# KiCad board EVT-PCB.kicad_pcb (continued)
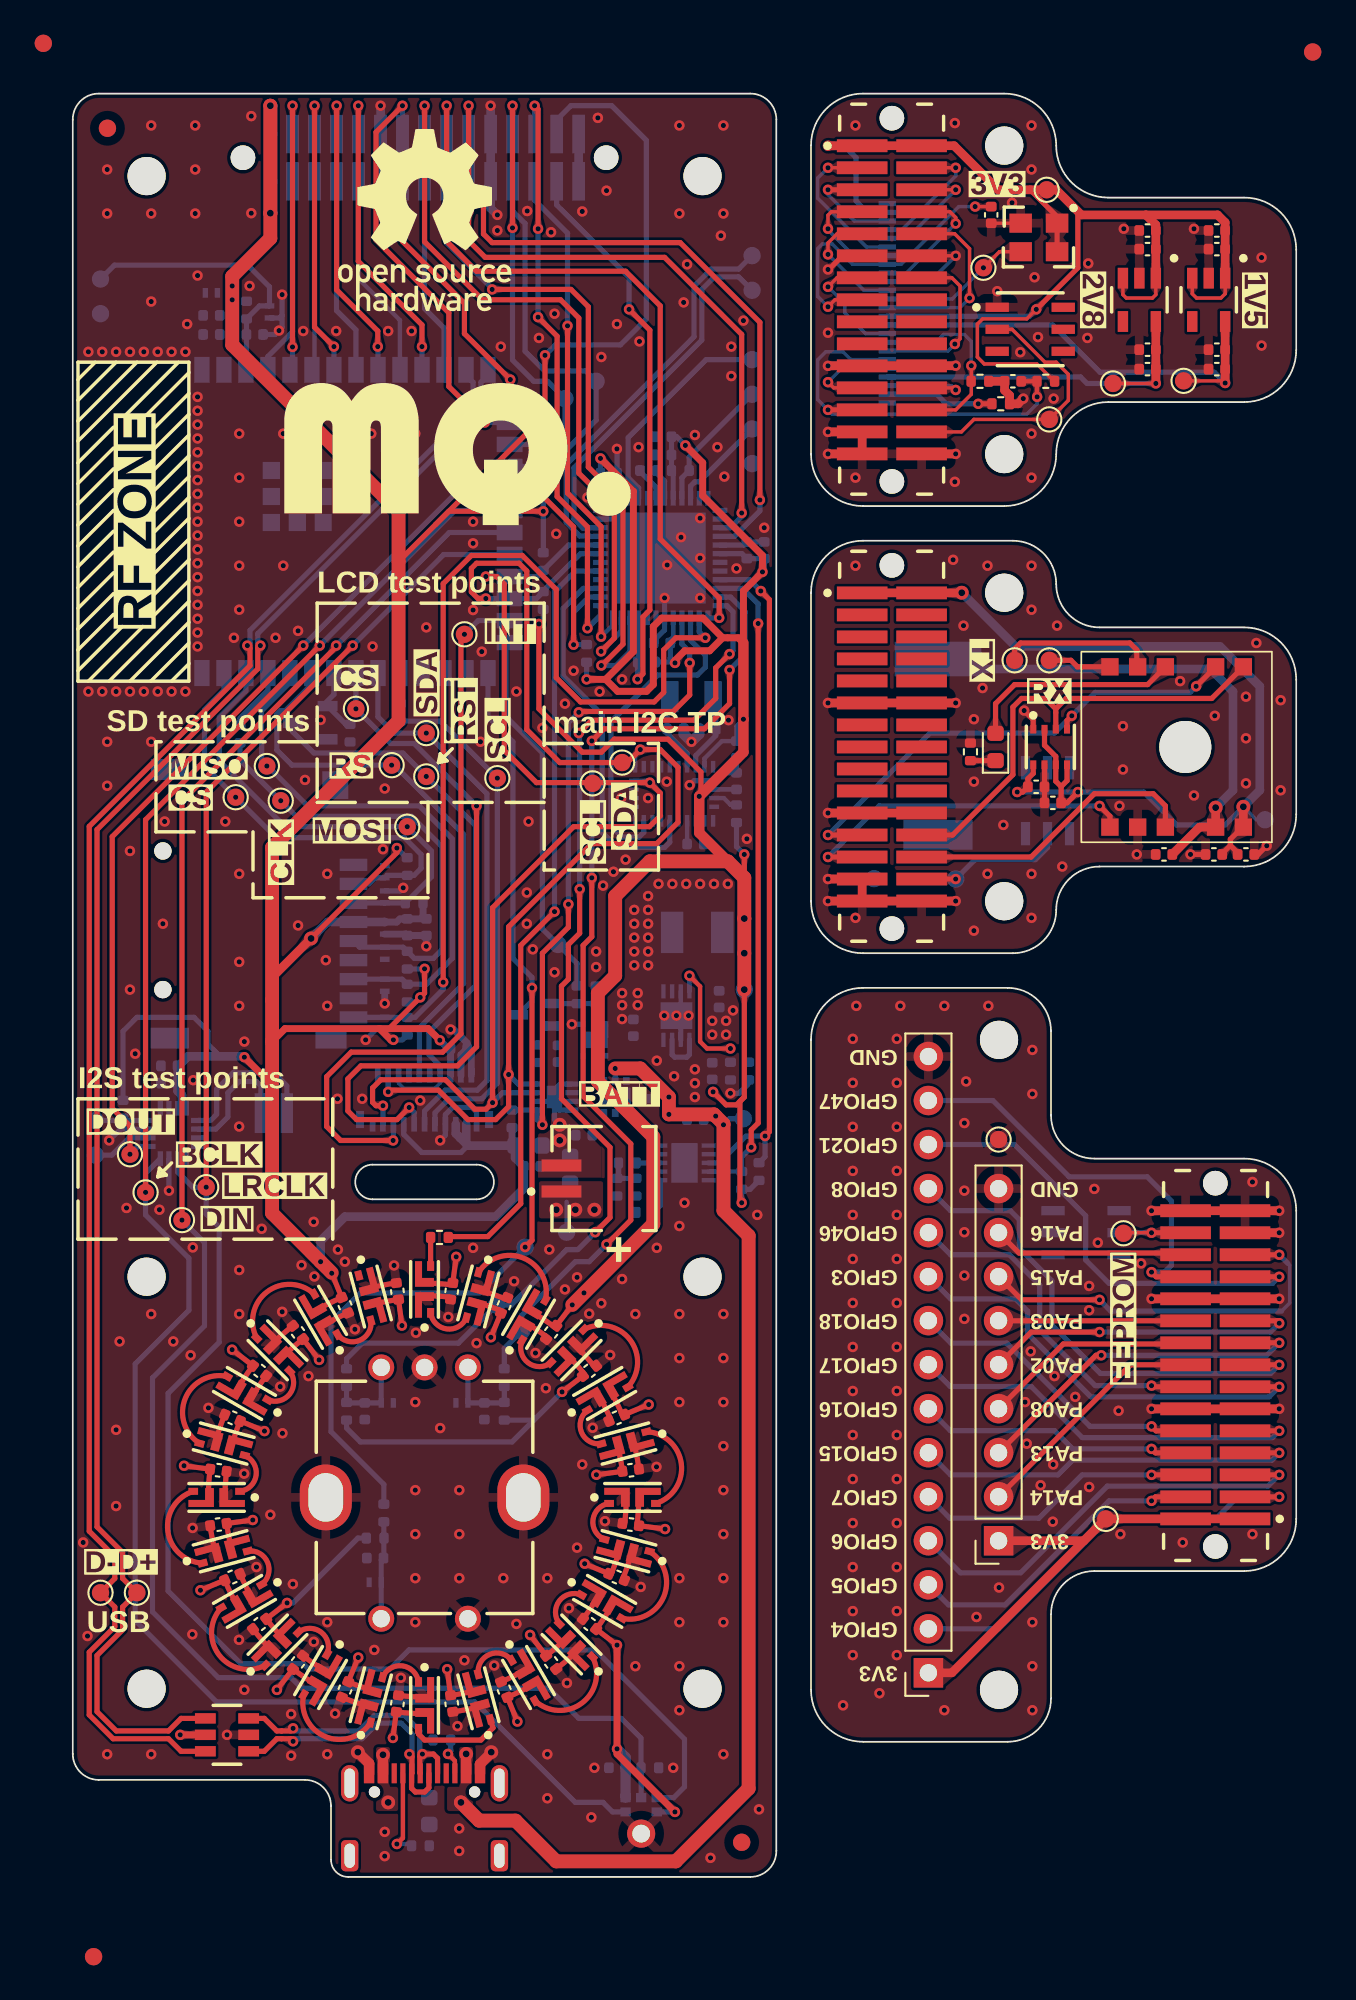
[diagram p0: board, top side]
## Routing (per net, layer and track width the routed paths; a pad name or vN(x,y) marks a point on that pad's centre or on a via; arc(x,y) is an arc through that point) (continued)
GNDA: length 6.3
  Top w0.3: R1103.2 v2(52.25,85)
  Bottom w0.3: U1102.2 49.85,85.55 50.4,85 v2(52.25,85)
VBUS: length 3.8
  Bottom w0.3: U302.7 34.58,47.45 34.73,47.3 35.43,47.3 35.58,47.45 U302.5 ; Q301.D2 30.75,48.48 Q301.D2
+BATT: length 1.8
  Bottom w0.254: TP401.1 28.5,38.95
  vias: v1(27.9,38.5) v1(29,38.5) v1(30.1,38.5)
/BATM_INT: length 38.5
  Top w0.3: v2(29.2,67.2) 29.25,67.25 34.65,67.25 35.6,68.2 v2(35.6,70.05) ; v2(28.6,56.13) 28.6,54.8 27.1,53.3 v2(27.1,43.4)
  Bottom w0.3: v2(35.6,70.05) 35.6,70.69 35.15,71.14 IC501.16 ; v2(29.2,67.2) 28.6,66.6 v2(28.6,56.13) ; v2(27.1,43.4) 26.8,43.7 U401.5 R402.2
/BATM_STAT1: length 40
  Top w0.3: v2(39.7,74.2) 40.2,73.7 40.2,43 v2(39.95,42.75)
  Bottom w0.3: IC501.9 39.05,74.85 v2(39.7,74.2) ; R403.2 39.95,41.56 v2(39.95,42.75) 38.85,42.75 37.3,41.2 36.7,41.2
/BATM_STAT2: length 37.6
  Top w0.3: v2(39.55,72.32) 39.55,43.5 39.15,43.1 v2(39.15,42.1)
  Bottom w0.25: 36.7,40.7 R404.2
  Bottom w0.3: v2(39.55,72.32) 39.55,73.45 38.65,74.35 IC501.10 ; R404.2 38.6,41.55 v2(39.15,42.1)
/Camera Module/DATA2: length 9.3
  Top w0.2: J1101.03 v2(43.58,98.62)
  Bottom w0.2: U1102.19 45.8,94.05 42.98,96.87 42.98,98.02 v2(43.58,98.62) ; 43.75,98.62 43.57,98.62
/Camera Module/DATA3: length 7.7
  Top w0.2: J1101.04 v2(50.95,98.62) ; 50.94,98.62 50.95,98.62
  Bottom w0.2: v2(50.95,98.62) 50.95,98.15 47.85,95.05 U1102.21
/Camera Module/DATA4: length 6.3
  Top w0.3: v2(43.58,97.35) J1101.05
  Bottom w0.2: v2(43.58,97.35) 43.58,97.07 45.1,95.55 U1102.22
/Camera Module/DATA5: length 7.1
  Top w0.2: J1101.06 v2(50.95,97.35)
  Bottom w0.2: U1102.20 48.15,94.55 v2(50.95,97.35)
/Camera Module/DATA6: length 7.1
  Top w0.2: 43.58,95.2 v2(43.58,95.1) 43.58,95.88 43.78,96.08 J1101.07
  Bottom w0.2: 43.57,95.2 43.57,95.05 45.06,93.55 U1102.18
/Camera Module/DATA7: length 7.6
  Top w0.2: J1101.08 50.62,96.08 50.95,95.75 v2(50.95,95.4)
  Bottom w0.2: v2(50.95,95.4) 48.1,92.55 U1102.16
/Camera Module/DATA8: length 8.4
  Top w0.2: v2(43.58,93.62) 43.58,94.28 44.11,94.81 J1101.09 44.29,94.81
  Bottom w0.2: U1102.14 45.65,91.55 v2(43.58,93.62) 43.57,93.62
/Camera Module/DATA9: length 11
  Top w0.2: J1101.10 50.89,94.81 51.75,93.95 v2(51.75,91.1)
  Bottom w0.2: U1102.12 51.2,90.55 v2(51.75,91.1)
/Camera Module/EEPROM: length 17.2
  Top w0.2: U1104.2 54.2,89.3 56.1,87.4 56.75,87.4 57.45,86.7 57.45,85.2 TP1108.1 52,84.1 51.28,83.38 J1101.28 50.33,83.38
/Camera Module/HSYNC: length 7
  Top w0.2: J1101.13 44.1,92.27 v2(43.58,91.75)
  Bottom w0.2: v2(43.58,91.75) 44.55,90.78 44.55,90.25 45.75,89.05 U1102.9
/Camera Module/PCLK: length 17.7
  Top w0.2: v2(52.07,96.38) C1101.1 ; v2(43.58,90.6) 43.98,91 J1101.15
  Bottom w0.2: v2(43.58,90.6) 42.98,91.2 42.98,93.95 43.25,94.22 43.83,94.22 45,93.05 47.8,93.05 51.13,96.38 v2(52.07,96.38)
/Camera Module/PWDN: length 11.5
  Top w0.2: v2(51.85,87.2) 51.85,85.55 50.95,84.65 J1101.26
  Bottom w0.2: v2(51.85,87.2) 51.85,88.6 51.45,89 50.25,89 49.8,88.55 U1102.8
/Camera Module/SCL: length 5.9
  Top w0.2: J1101.23 43.91,85.92 v2(43.58,86.25)
  Bottom w0.2: 43.55,86.25 v2(43.58,86.25) 44.38,87.05 U1102.5
/Camera Module/SDA: length 6.1
  Top w0.2: J1101.24 50.83,85.92 v2(50.95,85.8)
  Bottom w0.2: U1102.3 50.7,86.05 v2(50.95,85.8)
/Camera Module/VSYNC: length 10
  Top w0.2: v2(50.9,88.45) 51.2,88.75 51.2,91.8 50.73,92.27 J1101.14
  Bottom w0.2: v2(50.9,88.45) 50.5,88.05 U1102.7
/Camera Module/~{RESET}: length 24.4
  Top w0.254: R1101.2 55.65,86.3 ; R1101.2 C1106.1 ; R1101.2 55.64,85.41 v2(55.65,85.4)
  Top w0.3: v2(43.58,84.65) J1101.25
  Bottom w0.2: v2(43.58,84.65) 43.73,84.5 ; v2(43.58,84.65) 43.83,84.4 55.05,84.4 55.65,85 v2(55.65,85.4) ; v2(43.58,84.65) 42.98,85.25 42.98,87.53 43.45,88 44.45,88 44.9,87.55 U1102.6
/Dev Module/ATSAMD_IO11: length 13.9
  Top w0.3: J1303.16 61.03,29.55 J1302.2
/Dev Module/ATSAMD_IO12: length 20.8
  Top w0.3: J1303.17 v2(69.62,30.82) ; J1302.3 59.04,30.1 v2(59.35,30.1)
  Bottom w0.3: v2(69.62,30.82) 68.9,30.1 v2(59.35,30.1)
/Dev Module/ATSAMD_IO13: length 12.4
  Top w0.3: J1303.18 64.15,30.75 57.16,30.75 J1302.4
/Dev Module/ATSAMD_IO14: length 19.2
  Top w0.3: J1302.5 55.3,31.44 v2(59.25,31.44) ; v2(69.62,31.95) 69.48,32.09 J1303.19
  Bottom w0.3: v2(59.25,31.44) 69.11,31.44 v2(69.62,31.95)
/Dev Module/ATSAMD_IO15: length 10.8
  Top w0.3: J1303.20 53.43,32.09 J1302.6
/Dev Module/ATSAMD_IO16: length 22.8
  Top w0.3: J1302.7 54.77,33.3 v2(59.25,33.3) ; J1303.25 v2(69.62,35.9)
  Bottom w0.2: 70.12,35.4 70.22,35.3 70.22,33.11 69.76,32.65
  Bottom w0.3: v2(69.62,35.9) 70.12,35.4 ; 69.76,32.65 59.9,32.65 v2(59.25,33.3)
/Dev Module/ATSAMD_IO17: length 11.3
  Top w0.3: J1302.8 54.6,36 64.12,36 J1303.26
/Dev Module/EEPROM: length 5.5
  Top w0.2: v2(62.25,37.17) 60.63,37.17
  Top w0.3: J1303.28 v2(62.25,37.17)
  Bottom w0.3: v2(62.25,37.17) 62.25,37.17 U1301.2
/Dev Module/ESP32_IO0: length 25.4
  Top w0.3: J1303.03 v2(69.62,21.93)
  Bottom w0.3: v2(69.62,21.93) 67.22,21.93 65.99,20.7 59.8,20.7 53.42,14.32 J1304.2
/Dev Module/ESP32_IO1: length 17.9
  Top w0.3: v2(62.25,21.7) 62.48,21.93 J1303.04
  Bottom w0.3: v2(62.25,21.7) 59.8,21.7 53.8,15.7 50.53,15.7 J1304.3
/Dev Module/ESP32_IO2: length 25.3
  Top w0.3: J1303.05 v2(69.62,23.2)
  Bottom w0.3: J1304.4 51.22,17.55 54.7,17.55 59.7,22.55 68.97,22.55 v2(69.62,23.2)
/Dev Module/ESP32_IO3: length 16.4
  Top w0.3: 62.25,23.15 v2(62.25,23.2) J1303.06
  Bottom w0.3: v2(62.25,23.2) 58.25,23.2 55.75,20.7 50.61,20.7 J1304.5
/Dev Module/ESP32_IO4: length 23.3
  Top w0.3: v2(69.62,24.47) J1303.07
  Bottom w0.3: v2(69.62,24.47) 69.2,24.05 57.7,24.05 56.85,23.2 50.66,23.2 J1304.6
/Dev Module/ESP32_IO5: length 15.9
  Top w0.3: v2(62.25,24.7) 62.48,24.47 J1303.08
  Bottom w0.3: v2(62.25,24.7) 57.7,24.7 56.65,25.75 50.64,25.75 J1304.7
/Dev Module/ESP32_IO6: length 24.1
  Top w0.3: J1303.09 v2(69.62,25.74)
  Bottom w0.3: J1304.8 50.63,28.3 55.31,28.3 58.26,25.35 69.23,25.35 v2(69.62,25.74)
/Dev Module/ESP32_IO7: length 17.5
  Top w0.3: v2(62.25,26) 62.51,25.74 J1303.10
  Bottom w0.3: J1304.9 50.67,30.8 53.9,30.8 58.7,26 v2(62.25,26)
/Dev Module/ESP32_IO8: length 26.1
  Top w0.3: J1303.13 v2(69.62,28.28)
  Bottom w0.3: J1304.10 50.66,33.35 54.4,33.35 55.1,32.65 55.1,31.35 58.75,27.7 69.04,27.7 v2(69.62,28.28)
/Dev Module/ESP32_IO9: length 20.1
  Top w0.3: J1303.14 62.32,28.28 v2(62.25,28.35)
  Bottom w0.3: J1304.11 50.66,35.9 54.05,35.9 55.8,34.15 55.8,31.55 59,28.35 v2(62.25,28.35)
/Dev Module/ESP32_IO10: length 29.3
  Top w0.3: J1303.15 v2(69.62,29.55)
  Bottom w0.3: v2(69.62,29.55) 69.12,29.05 59.3,29.05 56.5,31.85 56.5,34.4 54.62,36.27 54.62,37.92 54.1,38.45 50.64,38.45 J1304.12
/Dev Module/SCL: length 27.2
  Top w0.3: J1303.23 v2(69.62,34.63)
  Bottom w0.3: v2(69.62,34.63) 69.24,34.25 59.8,34.25 58.45,35.6 58.45,38.15 54.34,42.26 J1304.13
/Dev Module/SDA: length 23.5
  Top w0.3: J1303.24 62.52,34.63 v2(62.25,34.9)
  Bottom w0.3: J1304.14 53.09,44.8 57.49,40.4 62,40.4 63.4,39 63.4,35.3 63,34.9 v2(62.25,34.9)
/ESP32-S3-WROOM-2/GPIO38: length 1.8
  Bottom w0.3: U201.31 18.88,67.73 R109.2
/ESP32-S3-WROOM-2/GPIO43/TXD0: length 3.7
  Bottom w0.3: U201.37 11.26,68.47 9.65,66.86 R110.2
/ESP32-S3-WROOM-2/MCU_RST: length 16.3
  Bottom w0.3: TP201.1 2.4,93 10.1,93 11.35,91.75 D202.1 10.77,90.65 R201.2 10.02,86.99 U201.3
/I2S_BCLK: length 112.1
  Top w0.3: v2(4.2,39.5) 4.2,61 v2(14.25,71.05)
  Bottom w0.3: 25.21,78.84 22.04,78.84 v2(14.25,71.05) ; M601.4 31.15,3.75 30.6,4.3 29,4.3 23.2,10.1 8.3,10.1 3.6,14.8 3.6,29.6 6.7,32.7 6.7,35.7 4.2,38.2 v2(4.2,39.5) 4.2,40.6 U1001.16
/I2S_DIN: length 108.6
  Top w0.3: v2(15.2,71.05) 15.2,70.97 6.3,62.07 v2(6.3,37.9)
  Bottom w0.3: M601.6 32.8,5.99 ; U201.21 21.72,77.57 v2(15.2,71.05) ; 32.79,6 32.79,8.01 31.65,9.15 29.2,9.15 27.46,10.89 13.21,10.89 12.6,11.5 8.4,11.5 4.6,15.3 4.6,28.8 7.6,31.8 7.6,36.6 v2(6.3,37.9) ; 32.8,6.29 R601.1
/I2S_DOUT: length 51.2
  Top w0.3: v2(13.3,71.05) 2.27,60.02 2.27,44.35 3.3,43.32 v2(3.3,41.7)
  Bottom w0.3: U1001.1 3.75,42.15 v2(3.3,41.7) ; v2(13.3,71.05) 22.36,80.11 U201.19
/I2S_LRCLK: length 112.5
  Top w0.3: v2(16.15,71.05) 7.7,62.6 v2(7.7,39.8)
  Bottom w0.3: U201.22 21.41,76.3 v2(16.15,71.05) ; M601.1 34.67,4.57 35.3,5.2 35.3,7.95 30.15,13.1 19.4,13.1 18.3,12 13.6,12 13.3,12.3 9.7,12.3 5.5,16.5 5.5,27.9 8.45,30.85 8.45,37.5 7.7,38.25 v2(7.7,39.8) 6.92,39.8 6.05,40.67 U1001.14
/IMU/IMU_XIN: length 4.8
  Bottom w0.3: U801.27 35.95,64.7 37.1,65.86 37.1,67.94 X801.1 ; 37.1,68.04 36.95,68.2
/IMU/IMU_XOUT: length 4.6
  Bottom w0.3: U801.26 35.45,64.83 34.29,65.99 C805.1 34.29,67.94 X801.2
/IMU_INT: length 18.9
  Bottom w0.3: U801.14 32.95,60.27 32.68,60 31.7,60 31.05,60.65 31.05,66.65 33.75,69.35 36.05,69.35 36.5,69.8 36.5,70.5 35.65,71.35 IC501.15
/IMU_RST: length 22.1
  Bottom w0.3: IC501.27 29.46,74.35 28.3,73.19 28.3,69.3 30.55,67.05 30.55,60.27 31.42,59.4 34.15,59.4 34.45,59.7 U801.11
/LCD_CS: length 40.4
  Top w0.3: v2(19.41,44.4) 18.71,43.7 16.38,43.7 15.88,44.2 15.88,46.05 16.62,46.8 22.2,46.8 23.3,47.9 v2(23.3,61.8)
  Bottom w0.3: 19.7,43.43 19.7,44.11 v2(19.41,44.4) ; v2(23.3,61.8) 19.7,65.4 18.34,65.4 v2(16.34,67.4) U201.33
/LCD_RESET: length 3.9
  Bottom w0.3: 14.4,67.56 15.07,68.23 U201.34 ; Q101.G 15.75,66.51 R105.1
/LCD_RS: length 33.3
  Bottom w0.3: 13.7,69.36 U201.35 13.8,68.84 12.26,67.3 12,67.3 11.77,67.07 11.77,65.02 12.65,64.15 v2(18.4,64.15) 18.56,64.15 22.55,60.16 22.55,51.55 20,49 J701.12
/LCD_SCL: length 29.5
  Bottom w0.3: 20.9,43.43 20.9,44.09 21.71,44.9 23.6,44.9 24.5,45.8 v2(24.5,63.4) 21.21,66.69 R109.1
/LCD_SDA: length 32.3
  Bottom w0.3: U201.32 17.61,66.94 18.55,66 v2(20.4,66) 23.9,62.5 23.9,45.95 23.35,45.4 21.5,45.4 20.3,44.2 20.3,43.43
/LEAT/D+: length 21.6
  Bottom w0.3: TP503.1 38.42,92.32 37.02,92.32 36.3,91.6 36.3,88.68 28.92,81.31 28.92,78.34 29.44,77.82 29.79,77.82 29.81,77.85 IC501.34
/LEAT/D-: length 23.1
  Bottom w0.3: TP502.1 38.42,92.77 36.84,92.77 35.85,91.79 35.85,88.87 28.47,81.49 28.47,78.16 29.26,77.37 29.79,77.37 29.81,77.35 IC501.33
/LEAT/LEAT_ENC_A: length 57.4
  Top w0.3: v2(29.95,65.55) 30.65,66.25 36.45,66.25 37.9,67.7 v2(37.9,69.64) ; v2(29.95,57.65) 29.95,54.25 29.45,53.75 29.45,45.05 32.2,42.3 32.2,37.9 v2(30.8,36.5)
  Bottom w0.3: v2(37.9,69.64) 38.8,70.54 38.8,73.01 37.96,73.85 IC501.11 ; v2(30.8,36.5) 29.8,35.5 29,35.5 25.9,32.4 TP506.1 24.9,30.5 R504.2 ; v2(29.95,57.65) v2(29.95,65.55)
/LEAT/LEAT_ENC_B: length 63.8
  Top w0.3: v2(29.2,66) 29.95,66.75 35.85,66.75 37.1,68 37.1,69.76 v2(37.9,70.56) ; v2(30.15,37.2) 31,38.05 31,42.1 28.2,44.9 28.2,51.4 28.6,51.8 28.6,53.8 29.25,54.45 v2(29.25,57)
  Bottom w0.3: v2(30.15,37.2) 29.15,36.2 28.5,36.2 25.3,33 TP507.1 22.25,30.8 16.7,30.8 15.8,29.9 R505.2 ; v2(29.2,66) 29.25,65.95 v2(29.25,57) ; IC501.12 37.75,73.35 38.1,73 38.1,70.76 v2(37.9,70.56)
/LEAT/NEOPIXEL: length 44.2
  Top w0.3: v2(27.8,55.7) 25.85,53.75 25.85,38.85 23.95,36.95 21.72,36.95 R502.1
  Bottom w0.3: v2(27.8,55.7) 27.8,74.15 29,75.35 IC501.29
/LEAT/SWCLK: length 7.7
  Bottom w0.3: IC501.45 35.15,80.73 R501.2 35.57,81.92 TP504.1
/LEAT/SWDIO: length 5.6
  Bottom w0.3: TP505.1 36.15,80.5 35.9,80.5 35.65,80.25 IC501.46
/LEAT/~{RESET}: length 12.8
  Bottom w0.3: TP501.1 36.55,87.55 32.05,83.05 32.05,80.75 32.65,80.15 IC501.40
/LEAT_ENC_SW: length 61
  Top w0.3: v2(26.1,36.34) 26.5,36.74 v2(26.5,51.3)
  Bottom w0.3: v2(26.1,36.34) 23.46,33.7 16.6,33.7 14.9,32 14.9,25.7 17.95,22.65 R503.2 ; D302.K 26.5,50.55 v2(26.5,51.3) 26.5,51.9 25.4,53 25.4,65.5 23.96,66.94 U201.27
/MAIN_SCL: length 67.3
  Top w0.3: v2(23.83,75.03) 24.46,75.03 24.9,74.6 24.9,65 26.76,63.14 v2(33.3,63.14) 33.9,62.54 33.9,61.22 33.27,60.6 28.9,60.6 24.22,55.92 v2(24.22,44.68) 23.85,44.3 23.2,44.3 21.5,46 17.78,46 17.3,45.52 17.3,44.7 17.5,44.5 v2(17.9,44.5)
  Bottom w0.25: 32.39,63.25 33.19,63.25 v2(33.3,63.14)
  Bottom w0.3: IC501.32 28.61,76.85 R101.2 26.79,75.03 U201.23 ; v2(23.83,75.03) U201.23 ; U201.23 25.4,74.84 ; v2(17.9,44.5) 17.9,43.43 ; v2(24.22,44.68) 24.8,45.25 U401.7
/MAIN_SDA: length 70.7
  Top w0.3: v2(23.83,73.76) 23.38,73.76 23,74.15 23,75.5 23.3,75.8 25.75,75.8 26.2,75.35 26.2,66.2 28.1,64.3 32,64.3 v2(32.75,65.05) 33.9,65.05 34.92,64.02 34.92,60.85 33.7,59.62 29.95,59.62 25.15,54.82 v2(25.15,46.3) 25.15,44.45 24.4,43.7 22.8,43.7 21.1,45.4 18.3,45.4 v2(18.2,45.3)
  Bottom w0.25: U801.20 32.45,64.75 v2(32.75,65.05)
  Bottom w0.3: IC501.31 29.29,76.35 27.15,74.21 R102.2 26.75,73.76 U201.24 v2(23.83,73.76) ; U401.8 25.7,45.75 v2(25.15,46.3) ; v2(18.2,45.3) J701.18
/MAX98357/MAX_OUTN: length 7.2
  Bottom w0.3: J1001.2 10.85,45.65 10.6,45.9 9.6,45.9 8.95,45.25 8.95,43.85 8.25,43.15 U1001.10
/MAX98357/MAX_OUTP: length 9
  Bottom w0.3: J1001.1 12.35,45.65 11.6,46.4 9.25,46.4 8.3,45.45 8.3,44 7.95,43.65 U1001.9
/MAX98357/MAX_SD: length 3
  Bottom w0.3: U1001.4 TP1002.1
/MOD_DET: length 34.9
  Top w0.3: v2(32.59,69.11) 32.9,69.42 32.9,72.7 33.3,73.1 33.3,89.25 v2(32.1,90.45)
  Bottom w0.3: v2(32.1,90.45) 32.1,92.3 27.92,96.48 J101.27 ; 32.65,69.17 v2(32.59,69.11) R108.2 32.65,70.16 IC501.21
/MOD_EEPROM: length 46.1
  Top w0.3: v2(28.9,71.1) 28.9,77.9 27.25,79.55 v2(27.25,87.8)
  Bottom w0.3: J101.28 27.92,101.37 28.74,102.2 31.1,102.2 33.1,100.2 33.1,89.9 31.6,88.4 27.85,88.4 v2(27.25,87.8) ; R107.2 28.91,71.11 v2(28.9,71.1) 28.9,72.97 29.77,73.85 IC501.26
/MOD_IO0: length 11.5
  Bottom w0.3: U201.4 11.26,87.73 12.68,89.15 J101.03
/MOD_IO1: length 16.9
  Top w0.3: v2(12.68,88.28) v2(12.68,102.2)
  Bottom w0.3: v2(12.68,88.28) 12.68,87.11 U201.5 ; v2(12.68,102.2) J101.04
/MOD_IO2: length 10.9
  Bottom w0.254: J101.05 13.95,87.11 U201.6
/MOD_IO3: length 17.3
  Top w0.3: v2(13.95,102.2) 13.95,89.42 v2(15.07,88.3)
  Bottom w0.3: v2(15.07,88.3) U201.7 ; J101.06 v2(13.95,102.2)
/MOD_IO4: length 11.3
  Bottom w0.3: J101.07 15.22,90.38 16.34,89.26 U201.8
/MOD_IO5: length 17.9
  Top w0.3: v2(17.6,88.3) 17.6,89.2 15.22,91.57 v2(15.22,102.2)
  Bottom w0.3: U201.9 17.61,88.29 v2(17.6,88.3) ; v2(15.22,102.2) 15.22,102.19 J101.08
/MOD_IO6: length 11.9
  Bottom w0.254: U201.10 18.88,89.82 16.49,92.21 J101.09 16.5,97.82 ; 16.5,97.95 16.49,97.96
/MOD_IO7: length 18.4
  Top w0.3: v2(16.47,102.2) 16.47,93.22 20.15,89.55 v2(20.15,88.3)
  Bottom w0.3: J101.10 16.49,102.18 v2(16.47,102.2) ; U201.11 v2(20.15,88.3)
/MOD_IO8: length 15.2
  Top w0.3: v2(25.25,86.4) 22.6,89.05 22.6,90.8 19.02,94.37 v2(19.02,96.2)
  Bottom w0.3: U201.15 25.25,85.24 v2(25.25,86.4) ; v2(19.02,96.2) 19.03,96.2 J101.13
/MOD_IO9: length 24.6
  Top w0.3: v2(19.02,102.2) 17.5,100.67 17.5,94.45 21.7,90.25 21.7,86 v2(23.78,83.92)
  Bottom w0.3: J101.14 19.03,102.19 v2(19.02,102.2) ; v2(23.78,83.92) 23.78,83.92 25.21,83.92
/MOD_IO10: length 11.3
  Bottom w0.3: J101.15 20.3,90.5 21.42,89.38 U201.12
/MOD_IO11: length 43
  Top w0.3: v2(20.3,102.2) 20.3,94.35 23.65,91 28.15,91 29.2,89.95 29.2,81 31.25,78.95 31.25,71.48 v2(30.49,70.71)
  Bottom w0.3: J101.16 v2(20.3,102.2) ; IC501.23 31.65,71.88 v2(30.49,70.71)
/MOD_IO12: length 39.3
  Top w0.3: v2(24.2,91.6) 28.75,91.6 29.75,90.6 29.75,81.35 31.75,79.35 31.75,71.13 30.52,69.9 v2(30.5,69.9)
  Bottom w0.3: IC501.22 32.15,70.7 31.35,69.9 v2(30.5,69.9) ; J101.17 21.57,94.28 24.2,91.65 v2(24.2,91.6)
/MOD_IO13: length 43.4
  Top w0.3: v2(21.57,102.2) 21.57,94.37 23.3,92.65 31.9,92.65 33.9,90.65 33.9,77.2 37.3,73.8 v2(37.3,72.65)
  Bottom w0.3: v2(37.3,72.65) IC501.13 ; v2(21.57,102.2) 21.57,102.19 J101.18
/MOD_IO14: length 33.4
  Top w0.3: v2(22.84,96.11) 22.84,94.41 23.8,93.45 34.15,93.45 38.6,89 v2(38.6,78.7)
  Bottom w0.3: v2(38.6,78.7) 38.6,78.5 37.95,77.85 IC501.3 ; v2(22.84,96.11) J101.19
/MOD_IO15: length 41.2
  Top w0.3: v2(39.65,79.45) 39.65,89.7 35.05,94.3 24.2,94.3 23.7,94.8 23.7,96.5 22.84,97.36 v2(22.84,102.2)
  Bottom w0.3: IC501.4 38.18,77.35 39.65,78.82 v2(39.65,79.45) ; 22.84,102.19 J101.20
/MOD_PWDN: length 34.7
  Top w0.3: v2(26.85,95.1) 26.85,102 v2(26.65,102.2) ; v2(29.7,72.05) 29.7,77.9 27.95,79.65 27.95,88.9 v2(26.85,90)
  Bottom w0.3: J101.26 v2(26.65,102.2) ; v2(29.7,72.05) 30.45,72.8 IC501.25 ; v2(26.85,90) v2(26.85,95.1)
/MOD_RESET: length 29.2
  Top w0.3: v2(28.55,89.5) 28.55,79.85 30.49,77.91 v2(30.49,71.56)
  Bottom w0.25: v2(30.49,71.56) 31.15,72.23 IC501.24
  Bottom w0.3: J101.25 26.65,96.75 28.55,94.85 v2(28.55,89.5)
/MOD_SCL: length 23.3
  Bottom w0.3: U201.18 27.52,81.38 R103.2 30.2,84.06 TP103.1 29.6,86.9 27.23,86.9 26.1,88.03 26.1,95.4 25.38,96.12 J101.23
/MOD_SDA: length 25.6
  Top w0.3: v2(25.38,95.15) v2(25.38,102.2)
  Bottom w0.3: v2(25.38,102.2) 25.38,102.19 J101.24 ; v2(25.38,95.15) 25.38,87.52 26.6,86.3 27.4,86.3 TP104.1 28.4,83.5 R104.2 27.54,82.65 U201.17
/Mountain Module/EEPROM: length 8.8
  Top w0.3: v2(50.95,57.58) J1201.28
  Bottom w0.3: v2(50.95,57.58) 52.07,58.7 55.55,58.7 56.25,59.4 U1203.2
/Mountain Module/SCL: length 29.2
  Top w0.3: v2(57.65,67) 57.38,66.72 U1202.4 ; 65.9,69.82 65.9,69.77 v2(64.82,68.7) ; J1201.23 v2(43.58,60.12)
  Bottom w0.3: v2(43.58,60.12) 49.46,66 56.65,66 v2(57.65,67) 59,68.35 64.47,68.35 v2(64.82,68.7)
/Mountain Module/SDA: length 26.6
  Top w0.3: 56.72,67.4 56.12,68 54.75,68 54.25,67.5 54.25,63.6 50.77,60.12 J1201.24 ; 56.72,67.4 57.32,68 65.72,68 U1201.1 67.5,69.82 ; 56.72,67.4 U1202.3
/Mountain Module/WAKEUP: length 17.1
  Top w0.3: J1201.26 55.3,58.85 58.95,62.5 62.35,62.5 63.05,61.8 63.05,60.62 63,60.57
/Mountain Module/~{RESET}: length 20.3
  Top w0.3: U1201.6 59.85,61.2 v2(59.25,61.8) ; v2(43.58,58.85) J1201.25
  Bottom w0.3: v2(43.58,58.85) 46.53,61.8 v2(59.25,61.8)
/PWR_CTRL: length 21.6
  Bottom w0.3: R308.2 29.1,52.7 27.1,54.7 27.1,64.85 25,66.95 25,70.88 25.21,71.09 U201.26
/SD_CARDDET: length 55.8
  Top w0.3: v2(21.37,51.63) 21.37,74.62 23,76.25 25.94,76.25 27.9,74.29 27.9,69.2 29.3,67.8 33.55,67.8 34.1,68.35 34.1,70.8 34.8,71.5 v2(36.5,71.5)
  Bottom w0.3: v2(36.5,71.5) 36.15,71.85 IC501.14 ; v2(21.37,51.63) 21.37,51.23 19.75,49.6 J901.CD1
/SD_CLK: length 26.4
  Bottom w0.3: J901.5 16.55,53.65 D903.1 19.06,53.65 R902.2 19.71,53 20.8,53 21.3,53.5 21.3,59.45 19.55,61.2 12.9,61.2 v2(12,62.1) 9.65,64.45 R110.1
/SD_CS: length 25.5
  Bottom w0.3: U201.39 8.72,68.47 7.6,67.35 7.6,64.1 v2(9.4,62.3) 11.73,59.97 19.13,59.97 20.1,59 20.1,58.2 19.69,57.79 R905.2 18.14,57.79 D906.1 17.45,57.65 17.09,57.3 J901.2
/SD_MISO: length 32.1
  Bottom w0.3: 16.29,51.71 J901.7 D905.1 19.01,51.8 R904.2 20.41,51.51 21.9,53 21.9,59.9 20,61.8 13.55,61.8 11.25,64.1 v2(11.2,64.1) 10.9,64.4 10.9,67.3 12.53,68.93 U201.36
/SD_MOSI: length 26.7
  Bottom w0.3: U201.38 9.99,68.44 8.45,66.9 8.45,64.4 12.25,60.6 v2(19.3,60.6) 20.7,59.2 20.7,57.71 R903.2 D904.1 J901.3
/Supply/BUCK_FB: length 6.9
  Top w0.254: v2(37.95,47.8) 36.6,47.8 36.2,48.2 36.2,51.38 v2(35.58,52)
  Bottom w0.254: U302.4 v2(35.58,52)
/Supply/USBC_D+: length 15.5
  Top w0.3: J301.A6 20.03,6 20.03,6.94 v2(20.17,7.09) 20.81,7.09 21.05,6.85 J301.B6 ; v2(12.71,8.57) 12.56,8.43 11.78,8.42 11.05,9.15 D301.3
  Bottom w0.3: v2(20.17,7.09) 20.02,7.24 20.02,8.44 19.14,9.32 17.41,9.32 16.51,8.42 12.86,8.42 v2(12.71,8.57)
/Supply/USBC_D-: length 15.8
  Top w0.3: v2(12.71,7.82) 12.56,7.97 11.78,7.97 11.05,7.25 D301.1 ; J301.A7 20.55,5.15 20.3,4.9 19.77,4.9 19.55,5.12 J301.B7 19.57,6 19.57,6.94 v2(19.42,7.09)
  Bottom w0.3: v2(19.42,7.09) 19.57,7.24 19.57,8.25 18.95,8.88 17.59,8.88 16.69,7.97 12.86,7.97 v2(12.71,7.82)
/TP_INT: length 42.8
  Top w0.3: v2(18.49,42.5) 15.45,42.5 14.65,43.3 14.65,46.17 16.07,47.59 21.34,47.59 22.4,48.65 22.4,71.5 v2(22.6,71.7)
  Bottom w0.3: U201.25 23.39,72.49 v2(22.6,71.7) ; v2(18.49,42.5) 18.5,42.51 18.5,43.43
/USB_D+: length 95.8
  Top w0.3: D301.4 6.25,9.15 5.52,8.42 2.51,8.42 1.4,9.54 1.4,12.78 2.88,14.26 2.88,15.58 TP107.1 2.88,17.22 2.88,18.72 1.4,20.2 1.4,60.43 10.68,69.71 10.68,70.9 v2(10.82,71.05)
  Bottom w0.3: U201.14 23.96,86.66 23.55,86.25 23.55,84.61 10.68,71.74 10.68,71.2 v2(10.82,71.05)
/USB_D-: length 96.6
  Top w0.3: v2(10.07,71.05) 10.22,70.9 10.22,69.89 0.95,60.62 0.95,19.95 2.42,18.48 2.42,17.22 TP106.1 2.42,15.58 2.42,14.44 0.95,12.97 0.95,9.35 2.32,7.97 5.52,7.97 6.25,7.25 D301.6
  Bottom w0.3: v2(10.07,71.05) 10.22,71.2 10.22,71.92 23.1,84.8 23.1,86.25 22.69,86.66 U201.13
/~{LCD_RESET}: length 32.7
  Bottom w0.2: J701.8 21.2,45.81 20.89,45.5 19.1,45.5 18.8,45.8 J701.16
  Bottom w0.3: J701.8 21.2,46.8 20.55,47.45 20.55,48.75 23.25,51.45 23.25,60.65 19.05,64.85 13.91,64.85 12.7,66.06 Q101.D
  vias: v2(20.4,63.5)
Net-(D302-PadA1): length 3.7
  Bottom w0.3: D302.A1 27.71,50.39 R308.1 R309.1 30.1,50.29 Q301.G1
Net-(D501-DIN): length 1.7
  Top w0.3: D501.3 R502.2
Net-(D512-DOUT): length 5.6
  Top w0.3: D513.3 19.95,8.25 20.3,7.9 23.55,7.9 24.25,8.6 D512.2 24.1,9.09
Net-(D1201-A): length 12.4
  Top w0.3: 63,69.82 63,69.77 62.03,68.8 54.35,68.8 53.25,67.7 D1201.2
Net-(D1201-K): length 1.2
  Top w0.3: D1201.1 53.25,64.41 52.05,64.41
Net-(E501-A): length 5.1
  Bottom w0.3: R504.1 R508.1 24.87,27.35 D525.1 E501.A1
Net-(E501-B): length 5
  Bottom w0.3: R505.1 R507.1 15.83,27.35 D526.1 E501.B1
Net-(E501-NO): length 5.4
  Bottom w0.3: E501.2 17.8,18.12 ; 17.95,20.34 17.95,18.42 C503.1 17.8,18.27
Net-(IC501-VDDCORE): length 1.8
  Bottom w0.3: IC501.43 34.15,80.54 33.69,81 C528.1
Net-(J301-CC1): length 5.1
  Top w0.254: v2(18.7,1.9) 19.05,2.25 J301.A5
  Bottom w0.254: v2(18.7,1.9) 19.45,1.9 R303.1
Net-(J301-CC2): length 2.2
  Top w0.254: J301.B5 22.05,6.7 v2(21.65,7.1)
  Bottom w0.3: R302.1 21.81,7.26 v2(21.65,7.1)
Net-(R405-Pad2): length 2
  Bottom w0.3: R406.1 R407.1 31.5,40.41 31.5,41.19 R405.2
Net-(U402-PROG): length 2
  Bottom w0.3: U402.6 33.9,38.73 R401.2
Net-(U402-THERM): length 1.4
  Bottom w0.3: R405.1 U402.8
Net-(U801-BOOTN): length 1.4
  Bottom w0.254: U801.4 37.57,62.25 37.96,61.86 R801.2
Net-(U801-CAP): length 1.3
  Bottom w0.254: U801.9 C801.1
Net-(U1001-GAIN): length 3.5
  Bottom w0.3: U1001.2 3.25,42.65 2.25,41.65 TP1001.1
Net-(U1102-XCLK): length 8.8
  Top w0.2: 54.7,93.77 53.47,93.77 v2(52.55,92.85)
  Bottom w0.2: U1102.13 50.75,91.05 v2(52.55,92.85)
Net-(U1201-RX): length 3.6
  Top w0.3: 59.8,69.82 57.97,69.82 57.6,70.2 TP1203.1
Net-(U1201-TX): length 9
  Top w0.3: TP1202.1 54.35,70.85 54.7,71.2 61,71.2 61.4,70.8 61.4,69.82
Net-(U1201-VBACKUP): length 29.2
  Top w0.5: C1203.1 65.03,60.57 U1201.9 v1(65.95,61.7)
  Bottom w0.5: C1204.1 50.5,69.7 65.65,69.7 66.95,68.4 66.95,62.7 v1(65.95,61.7)
unconnected-(J301-SHELL_GND__1-PadSH2): length 0
  Bottom w0.254: J301.SH2 24.62,5.4
Net-(D501-DOUT): length 2.8
  Top w0.3: D502.3 arc(21.58,31.62) D501.2
Net-(D502-DOUT): length 5.9
  Top w0.3: D502.2 arc(26.02,35.71) D503.3
Net-(D503-DOUT): length 2.8
  Top w0.3: 27.59,29.67 arc(26.27,29.67) D503.2
Net-(D504-DOUT): length 5.9
  Top w0.3: D504.2 arc(32.16,31) D505.3
Net-(D505-DOUT): length 2.8
  Top w0.3: D506.3 arc(29.36,25.65) D505.2
Net-(D506-DOUT): length 5.9
  Top w0.3: D506.2 arc(35.12,23.85) D507.3
Net-(D507-DOUT): length 2.8
  Top w0.3: D508.3 arc(30.02,20.62) D507.2
Net-(D508-DOUT): length 5.9
  Top w0.3: D508.2 arc(34.11,16.18) D509.3
Net-(D509-DOUT): length 2.8
  Top w0.3: D510.3 arc(28.08,15.93) D509.2
Net-(D510-DOUT): length 5.9
  Top w0.3: D510.2 arc(29.4,10.04) D511.3
Net-(D511-DOUT): length 2.8
  Top w0.3: D512.3 arc(24.05,12.84) D511.2
Net-(D513-DOUT): length 2.8
  Top w0.3: D514.3 arc(19.02,12.18) D513.2
Net-(D514-DOUT): length 5.9
  Top w0.3: D514.2 arc(14.58,8.09) D515.3
Net-(D515-DOUT): length 2.8
  Top w0.3: D516.3 arc(14.33,14.12) D515.2
Net-(D516-DOUT): length 5.9
  Top w0.3: D516.2 arc(8.44,12.8) D517.3
Net-(D517-DOUT): length 2.8
  Top w0.3: D518.3 arc(11.24,18.15) D517.2
Net-(D518-DOUT): length 5.9
  Top w0.3: D518.2 arc(5.48,19.95) D519.3
Net-(D519-DOUT): length 2.8
  Top w0.3: D520.3 arc(10.58,23.18) D519.2
Net-(D520-DOUT): length 5.9
  Top w0.3: D520.2 arc(6.49,27.62) D521.3
Net-(D521-DOUT): length 2.8
  Top w0.3: D522.3 arc(12.52,27.87) D521.2
Net-(D522-DOUT): length 5.9
  Top w0.3: D522.2 arc(11.2,33.76) D523.3
Net-(D523-DOUT): length 2.8
  Top w0.3: D524.3 arc(16.55,30.96) D523.2

## Copper pours and planes (outline as drawn; the poured copper is in the pictures)
+3V3 on Bottom: 36.45,46.4 38.35,46.4 38.35,45 36.45,45
+3V3 on Bottom: 9.3,86.1 9.3,89.6 9.6,90.3 10.4,90.3 10.4,91.3 9.6,91.3 9.6,92.5 8.1,92.5 8.1,86.1
+3V3 on Bottom: 36.6,50.8 39.25,50.8 39.25,55.9 36.6,55.9
+5V on Top: 21.6,5.2 22.3,5.2 22.3,7.5 23.1,7.5 23.1,3.8 21.6,3.8
+5V on Top: 19,5.2 18.3,5.2 18.3,7.5 17.5,7.5 17.5,3.8 19,3.8
+5V on Bottom: 35.9,44.3 35.9,41.5 38.2,41.5 38.2,44.3
+5V on Bottom: 34.8,43.7 34.8,45.3 31.7,45.3 31.7,43.7
+5V on Bottom, In1.Cu: 17.5,7.5 17.5,3.8 23.1,3.8 23.1,7.5
GND on Top: 30.5,40.35 26.8,40.35 26.8,44.1 28.6,44.1 30.5,42.2
GND on Top, Bottom, In1.Cu, In2.Cu: 42.6,77.1 42.6,53.3 70.6,53.3 70.6,77.1
GND on Top, Bottom, In1.Cu, In2.Cu: 70.6,51.35 42.6,51.3 42.6,7.8 70.6,7.8
GND on Top, Bottom, In1.Cu, In2.Cu: 42.6,102.9 42.6,79.1 70.6,79.1 70.6,102.85
GND on Top, Bottom, In1.Cu, In2.Cu: 0,102.9 40.6,102.9 40.6,0 0,0
GND on Bottom: 31.36,50.5 31.36,48.9 35.3,48.9 35.3,44.5 40.2,44.5 40.2,50.5
GND on Bottom: 27.6,42.7 26.6,42.7 26.6,40.7 27.4,40.7 27.4,41 29.3,41 29.3,44 27.6,44
GND on Bottom: 38.45,46.4 39.45,46.4 39.45,45 38.45,45
VBUS on Bottom: 30.26,49.72 30.26,47.82 35.76,47.82 35.76,48.82 31.26,48.82 31.26,49.72
+BATT on Top: 26.9,40.35 26.9,38 30.6,38 30.6,40.35
+BATT on Bottom: 29.5,40.7 29.5,43.6 28.4,43.6 28.4,45.5 31.3,45.5 31.3,42.9 34.4,42.9 34.4,41.6 30.9,41.6 30.9,38 27.45,38 27.45,40.7
/Supply/BUCK_FB on Bottom: 36.45,46.7 36.45,48.1 39.45,48.1 39.45,46.7
/Supply/BUCK_SW on Bottom: 34.73,50.7 34.73,52.9 34.93,53.1 35.53,53.1 35.53,55.9 33.73,55.9 33.73,53.1 34.23,53.1 34.43,52.9 34.43,50.7
VDC on Bottom: 26.54,47.6 26.54,46.3 30.3,46.3 30.3,44.45 32.65,44.45 32.65,47.6
Net-(C305-Pad2) on Bottom: 26.54,48.5 27.1,48.5 27.1,49.6 29.2,49.6 29.2,48.8 30.2,48.8 30.2,47.7 30.5,47.7 30.5,47 29.2,47 29.2,47.6 26.54,47.6

Small or netless copper shapes (teardrops, artwork), in the pictures only: 339 on Top, 422 on Bottom, 2 on In1.Cu

## Text on the board
B.Silkscreen: USB | ENC B | SW ENC | PWR | ~{RST} | SWCLK | SWDIO | GND | D- | D+ | I2C module TP | SWD | RST | MODULE SOCKET | SDA | SCL | 3V3 | ENC A | SD | GAIN | RF ZONE
F.Silkscreen: GPIO21 | GPIO8 | GPIO46 | GPIO3 | GPIO18 | GPIO17 | GPIO7 | GPIO6 | GPIO5 | GPIO4 | 3V3 | GND | PA16 | PA15 | PA03 | PA02 | PA08 | PA13 | PA14 | GPIO47 | GPIO15 | GPIO16 | TX | 2V8 | 1V5 | I2S test points | LCD test points | main I2C TP | D- | USB | DOUT | D+ | CS | MISO | BCLK | DIN | LRCLK | RS | MOSI | INT | BATT | RX | SD test points | CLK | SDA | ~{RST} | SCL | EEPROM | + | RF ZONE
